# KiCad board BACKUP_PCB.kicad_pcb (continued)
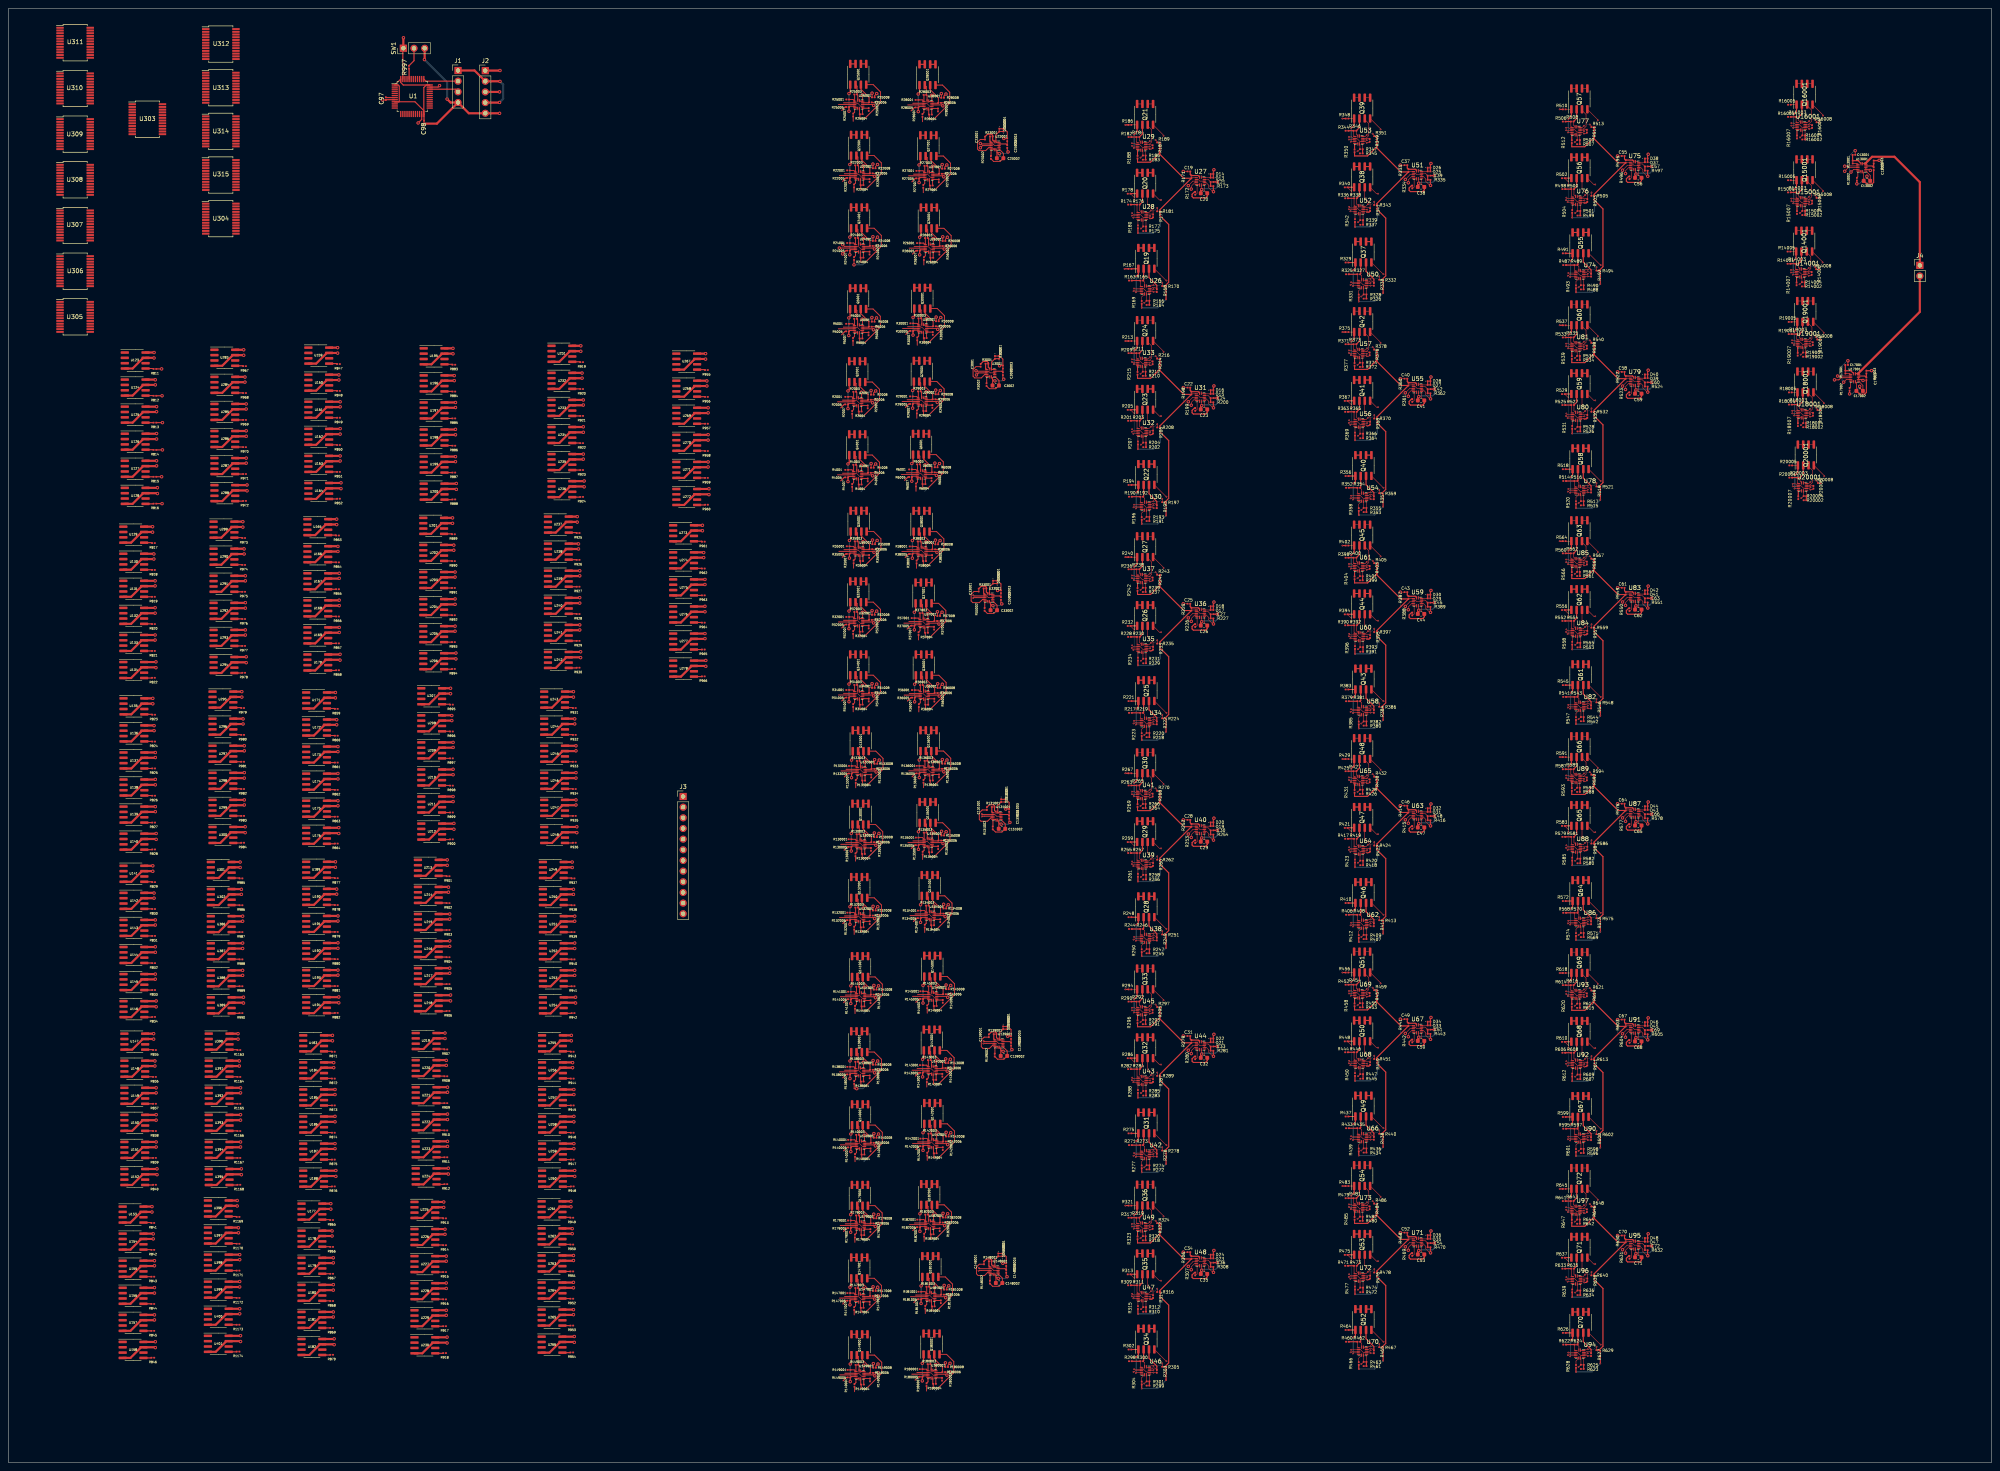
[diagram p0: board, top side]
## Nets (continued)
/W146: Q132001.5 Q132001.6 U146.6
/W147: Q136001.7 Q136001.8 U301.6
/W148: Q136001.5 Q136001.6 U302.6
/W149: Q135001.7 Q135001.8 U386.6
/W151: Q141001.7 Q141001.8 U147.6
/W152: Q141001.5 Q141001.6 U148.6
/W153: Q138001.7 Q138001.8 U149.6
/W154: Q138001.5 Q138001.6 U150.6
/W155: Q140001.7 Q140001.8 U151.6
/W156: Q140001.5 Q140001.6 U152.6
/W157: Q145001.7 Q145001.8 U390.6
/W158: Q145001.5 Q145001.6 U391.6
/W159: Q143001.7 Q143001.8 U392.6
/W161: Q179001.7 Q179001.8 U153.6
/W162: Q179001.5 Q179001.6 U154.6
/W163: Q147001.7 Q147001.8 U155.6
/W164: Q147001.5 Q147001.6 U156.6
/W165: Q149001.7 Q149001.8 U157.6
/W166: Q149001.5 Q149001.6 U158.6
/W167: Q182001.7 Q182001.8 U396.6
/W168: Q182001.5 Q182001.6 U397.6
/W169: Q181001.7 Q181001.8 U398.6
/W211: Q21.7 Q21.8 U159.6
/W212: Q21.5 Q21.6 U160.6
/W213: Q19.7 Q19.8 U161.6
/W214: Q19.5 Q19.6 U162.6
/W215: Q20.7 Q20.8 U163.6
/W216: Q20.5 Q20.6 U164.6
/W221: Q24.7 Q24.8 U165.6
/W222: Q24.5 Q24.6 U166.6
/W223: Q22.7 Q22.8 U167.6
/W224: Q22.5 Q22.6 U168.6
/W225: Q23.7 Q23.8 U169.6
/W226: Q23.5 Q23.6 U170.6
/W231: Q27.7 Q27.8 U171.6
/W232: Q27.5 Q27.6 U172.6
/W233: Q25.7 Q25.8 U173.6
/W234: Q25.5 Q25.6 U174.6
/W235: Q26.7 Q26.8 U175.6
/W236: Q26.5 Q26.6 U176.6
/W241: Q30.7 Q30.8 U189.6
/W242: Q30.5 Q30.6 U190.6
/W243: Q28.7 Q28.8 U191.6
/W244: Q28.5 Q28.6 U192.6
/W245: Q29.7 Q29.8 U193.6
/W246: Q29.5 Q29.6 U194.6
/W251: Q33.7 Q33.8 U183.6
/W252: Q33.5 Q33.6 U184.6
/W253: Q31.7 Q31.8 U185.6
/W254: Q31.5 Q31.6 U186.6
/W255: Q32.7 Q32.8 U187.6
/W256: Q32.5 Q32.6 U188.6
/W261: Q36.7 Q36.8 U177.6
/W262: Q36.5 Q36.6 U178.6
/W263: Q34.7 Q34.8 U179.6
/W264: Q34.5 Q34.6 U180.6
/W265: Q35.7 Q35.8 U181.6
/W266: Q35.5 Q35.6 U182.6
/W311: Q39.7 Q39.8 U195.6
/W312: Q39.5 Q39.6 U196.6
/W313: Q37.7 Q37.8 U197.6
/W314: Q37.5 Q37.6 U198.6
/W315: Q38.7 Q38.8 U199.6
/W316: Q38.5 Q38.6 U200.6
/W321: Q42.7 Q42.8 U201.6
/W322: Q42.5 Q42.6 U202.6
/W323: Q40.7 Q40.8 U203.6
/W324: Q40.5 Q40.6 U204.6
/W325: Q41.7 Q41.8 U205.6
/W326: Q41.5 Q41.6 U206.6
/W331: Q45.7 Q45.8 U207.6
/W332: Q45.5 Q45.6 U208.6
/W333: Q43.7 Q43.8 U209.6
/W334: Q43.5 Q43.6 U210.6
/W335: Q44.7 Q44.8 U211.6
/W336: Q44.5 Q44.6 U212.6
/W341: Q48.7 Q48.8 U213.6
/W342: Q48.5 Q48.6 U214.6
/W343: Q46.7 Q46.8 U215.6
/W344: Q46.5 Q46.6 U216.6
/W345: Q47.7 Q47.8 U217.6
/W346: Q47.5 Q47.6 U218.6
/W351: Q51.7 Q51.8 U219.6
/W352: Q51.5 Q51.6 U220.6
/W353: Q49.7 Q49.8 U221.6
/W354: Q49.5 Q49.6 U222.6
/W355: Q50.7 Q50.8 U223.6
/W356: Q50.5 Q50.6 U224.6
/W361: Q54.7 Q54.8 U225.6
/W362: Q54.5 Q54.6 U226.6
/W363: Q52.7 Q52.8 U227.6
/W364: Q52.5 Q52.6 U228.6
/W365: Q53.7 Q53.8 U229.6
/W366: Q53.5 Q53.6 U230.6
/W411: Q57.7 Q57.8 U231.6
/W412: Q57.5 Q57.6 U232.6
/W413: Q55.7 Q55.8 U233.6
/W414: Q55.5 Q55.6 U234.6
/W415: Q56.7 Q56.8 U235.6
/W416: Q56.5 Q56.6 U236.6
/W421: Q60.7 Q60.8 U237.6
/W422: Q60.5 Q60.6 U238.6
/W423: Q58.7 Q58.8 U239.6
/W424: Q58.5 Q58.6 U240.6
/W425: Q59.7 Q59.8 U241.6
/W426: Q59.5 Q59.6 U242.6
/W431: Q63.7 Q63.8 U243.6
/W432: Q63.5 Q63.6 U244.6
/W433: Q61.7 Q61.8 U245.6
/W434: Q61.5 Q61.6 U246.6
/W435: Q62.7 Q62.8 U247.6
/W436: Q62.5 Q62.6 U248.6
/W441: Q66.7 Q66.8 U249.6
/W442: Q66.5 Q66.6 U250.6
/W443: Q64.7 Q64.8 U251.6
/W444: Q64.5 Q64.6 U252.6
/W445: Q65.7 Q65.8 U253.6
/W446: Q65.5 Q65.6 U254.6
/W451: Q69.7 Q69.8 U255.6
/W452: Q69.5 Q69.6 U256.6
/W453: Q67.7 Q67.8 U257.6
/W454: Q67.5 Q67.6 U258.6
/W455: Q68.7 Q68.8 U259.6
/W456: Q68.5 Q68.6 U260.6
/W461: Q72.7 Q72.8 U261.6
/W462: Q72.5 Q72.6 U262.6
/W463: Q70.7 Q70.8 U263.6
/W464: Q70.5 Q70.6 U264.6
/W465: Q71.7 Q71.8 U265.6
/W466: Q71.5 Q71.6 U266.6
/W511: Q16001.7 Q16001.8 U267.6
/W512: Q16001.5 Q16001.6 U268.6
/W513: Q14001.7 Q14001.8 U269.6
/W514: Q14001.5 Q14001.6 U270.6
/W515: Q15001.7 Q15001.8 U271.6
/W516: Q15001.5 Q15001.6 U272.6
/W521: Q20001.7 Q20001.8 U273.6
/W522: Q20001.5 Q20001.6 U274.6
/W523: Q18001.7 Q18001.8 U275.6
/W524: Q18001.5 Q18001.6 U276.6
/W525: Q19001.7 Q19001.8 U277.6
/W526: Q19001.5 Q19001.6 U278.6
/W1110: Q27001.5 Q27001.6 U286.6
/W1111: Q26001.7 Q26001.8 U287.6
/W1112: Q26001.5 Q26001.6 U288.6
/W1210: Q29001.5 Q29001.6 U292.6
/W1211: Q6001.7 Q6001.8 U293.6
/W1212: Q6001.5 Q6001.6 U294.6
/W1310: Q37001.5 Q37001.6 U298.6
/W1311: Q36001.7 Q36001.8 U299.6
/W1312: Q36001.5 Q36001.6 U300.6
/W1410: Q135001.5 Q135001.6 U387.6
/W1411: Q134001.7 Q134001.8 U388.6
/W1412: Q134001.5 Q134001.6 U389.6
/W1510: Q143001.5 Q143001.6 U393.6
/W1511: Q142001.7 Q142001.8 U394.6
/W1512: Q142001.5 Q142001.6 U395.6
/W1610: Q181001.5 Q181001.6 U399.6
/W1611: Q180001.7 Q180001.8 U400.6
/W1612: Q180001.5 Q180001.6 U401.6
Net-(C19-Pad1): C19.1 R171.2 U27.14
Net-(C20-Pad2): C20.2 C21.1 U27.7
Net-(C22-Pad1): C22.1 R198.2 U31.14
Net-(C23-Pad2): C23.2 C24.1 U31.7
Net-(C25-Pad1): C25.1 R225.2 U36.14
Net-(C26-Pad2): C26.2 C27.1 U36.7
Net-(C28-Pad1): C28.1 R252.2 U40.14
Net-(C29-Pad2): C29.2 C30.1 U40.7
Net-(C31-Pad1): C31.1 R279.2 U44.14
Net-(C32-Pad2): C32.2 C33.1 U44.7
Net-(C34-Pad1): C34.1 R306.2 U48.14
Net-(C35-Pad2): C35.2 C36.1 U48.7
Net-(C37-Pad1): C37.1 R333.2 U51.14
Net-(C38-Pad2): C38.2 C39.1 U51.7
Net-(C40-Pad1): C40.1 R360.2 U55.14
Net-(C41-Pad2): C41.2 C42.1 U55.7
Net-(C43-Pad1): C43.1 R387.2 U59.14
Net-(C44-Pad2): C44.2 C45.1 U59.7
Net-(C46-Pad1): C46.1 R414.2 U63.14
Net-(C47-Pad2): C47.2 C48.1 U63.7
Net-(C49-Pad1): C49.1 R441.2 U67.14
Net-(C50-Pad2): C50.2 C51.1 U67.7
Net-(C52-Pad1): C52.1 R468.2 U71.14
Net-(C53-Pad2): C53.2 C54.1 U71.7
Net-(C55-Pad1): C55.1 R495.2 U75.14
Net-(C56-Pad2): C56.2 C57.1 U75.7
Net-(C58-Pad1): C58.1 R522.2 U79.14
Net-(C59-Pad2): C59.2 C60.1 U79.7
Net-(C61-Pad1): C61.1 R549.2 U83.14
Net-(C62-Pad2): C62.2 C63.1 U83.7
Net-(C64-Pad1): C64.1 R576.2 U87.14
Net-(C65-Pad2): C65.2 C66.1 U87.7
Net-(C67-Pad1): C67.1 R603.2 U91.14
Net-(C68-Pad2): C68.2 C69.1 U91.7
Net-(C70-Pad1): C70.1 R630.2 U95.14
Net-(C71-Pad2): C71.2 C72.1 U95.7
Net-(C3001-Pad1): C3001.1 R3001.2 U3001.14
Net-(C3002-Pad2): C3002.2 C3003.1 U3001.7
Net-(C13001-Pad1): C13001.1 R13001.2 U13001.14
Net-(C13002-Pad2): C13002.2 C13003.1 U13001.7
Net-(C17001-Pad1): C17001.1 R17001.2 U17001.14
Net-(C17002-Pad2): C17002.2 C17003.1 U17001.7
Net-(C23001-Pad1): C23001.1 R23001.2 U23001.14
Net-(C23002-Pad2): C23002.2 C23003.1 U23001.7
Net-(C33001-Pad1): C33001.1 R33001.2 U33001.14
Net-(C33002-Pad2): C33002.2 C33003.1 U33001.7
Net-(C131001-Pad1): C131001.1 R131001.2 U131001.14
Net-(C131002-Pad2): C131002.2 C131003.1 U131001.7
Net-(C139001-Pad1): C139001.1 R139001.2 U139001.14
Net-(C139002-Pad2): C139002.2 C139003.1 U139001.7
Net-(C148001-Pad1): C148001.1 R148001.2 U148001.14
Net-(C148002-Pad2): C148002.2 C148003.1 U148001.7
Net-(Q19A-G1): Q19.2 R165.2 U26.14
Net-(Q19A-S1): Q19.1 R167.2 U26.4
Net-(Q19B-G2): Q19.4 R166.2 U26.7
Net-(Q19B-S2): Q19.3 R168.2 U26.11
Net-(Q20A-G1): Q20.2 R176.2 U28.14
Net-(Q20A-S1): Q20.1 R178.2 U28.4
Net-(Q20B-G2): Q20.4 R177.2 U28.7
Net-(Q20B-S2): Q20.3 R179.2 U28.11
Net-(Q21A-G1): Q21.2 R184.2 U29.14
Net-(Q21A-S1): Q21.1 R186.2 U29.4
Net-(Q21B-G2): Q21.4 R185.2 U29.7
Net-(Q21B-S2): Q21.3 R187.2 U29.11
Net-(Q22A-G1): Q22.2 R192.2 U30.14
Net-(Q22A-S1): Q22.1 R194.2 U30.4
Net-(Q22B-G2): Q22.4 R193.2 U30.7
Net-(Q22B-S2): Q22.3 R195.2 U30.11
Net-(Q23A-G1): Q23.2 R203.2 U32.14
Net-(Q23A-S1): Q23.1 R205.2 U32.4
Net-(Q23B-G2): Q23.4 R204.2 U32.7
Net-(Q23B-S2): Q23.3 R206.2 U32.11
Net-(Q24A-G1): Q24.2 R211.2 U33.14
Net-(Q24A-S1): Q24.1 R213.2 U33.4
Net-(Q24B-G2): Q24.4 R212.2 U33.7
Net-(Q24B-S2): Q24.3 R214.2 U33.11
Net-(Q25A-G1): Q25.2 R219.2 U34.14
Net-(Q25A-S1): Q25.1 R221.2 U34.4
Net-(Q25B-G2): Q25.4 R220.2 U34.7
Net-(Q25B-S2): Q25.3 R222.2 U34.11
Net-(Q26A-G1): Q26.2 R230.2 U35.14
Net-(Q26A-S1): Q26.1 R232.2 U35.4
Net-(Q26B-G2): Q26.4 R231.2 U35.7
Net-(Q26B-S2): Q26.3 R233.2 U35.11
Net-(Q27A-G1): Q27.2 R238.2 U37.14
Net-(Q27A-S1): Q27.1 R240.2 U37.4
Net-(Q27B-G2): Q27.4 R239.2 U37.7
Net-(Q27B-S2): Q27.3 R241.2 U37.11
Net-(Q28A-G1): Q28.2 R246.2 U38.14
Net-(Q28A-S1): Q28.1 R248.2 U38.4
Net-(Q28B-G2): Q28.4 R247.2 U38.7
Net-(Q28B-S2): Q28.3 R249.2 U38.11
Net-(Q29A-G1): Q29.2 R257.2 U39.14
Net-(Q29A-S1): Q29.1 R259.2 U39.4
Net-(Q29B-G2): Q29.4 R258.2 U39.7
Net-(Q29B-S2): Q29.3 R260.2 U39.11
Net-(Q30A-G1): Q30.2 R265.2 U41.14
Net-(Q30A-S1): Q30.1 R267.2 U41.4
Net-(Q30B-G2): Q30.4 R266.2 U41.7
Net-(Q30B-S2): Q30.3 R268.2 U41.11
Net-(Q31A-G1): Q31.2 R273.2 U42.14
Net-(Q31A-S1): Q31.1 R275.2 U42.4
Net-(Q31B-G2): Q31.4 R274.2 U42.7
Net-(Q31B-S2): Q31.3 R276.2 U42.11
Net-(Q32A-G1): Q32.2 R284.2 U43.14
Net-(Q32A-S1): Q32.1 R286.2 U43.4
Net-(Q32B-G2): Q32.4 R285.2 U43.7
Net-(Q32B-S2): Q32.3 R287.2 U43.11
Net-(Q33A-G1): Q33.2 R292.2 U45.14
Net-(Q33A-S1): Q33.1 R294.2 U45.4
Net-(Q33B-G2): Q33.4 R293.2 U45.7
Net-(Q33B-S2): Q33.3 R295.2 U45.11
Net-(Q34A-G1): Q34.2 R300.2 U46.14
Net-(Q34A-S1): Q34.1 R302.2 U46.4
Net-(Q34B-G2): Q34.4 R301.2 U46.7
Net-(Q34B-S2): Q34.3 R303.2 U46.11
Net-(Q35A-G1): Q35.2 R311.2 U47.14
Net-(Q35A-S1): Q35.1 R313.2 U47.4
Net-(Q35B-G2): Q35.4 R312.2 U47.7
Net-(Q35B-S2): Q35.3 R314.2 U47.11
Net-(Q36A-G1): Q36.2 R319.2 U49.14
Net-(Q36A-S1): Q36.1 R321.2 U49.4
Net-(Q36B-G2): Q36.4 R320.2 U49.7
Net-(Q36B-S2): Q36.3 R322.2 U49.11
Net-(Q37A-G1): Q37.2 R327.2 U50.14
Net-(Q37A-S1): Q37.1 R329.2 U50.4
Net-(Q37B-G2): Q37.4 R328.2 U50.7
Net-(Q37B-S2): Q37.3 R330.2 U50.11
Net-(Q38A-G1): Q38.2 R338.2 U52.14
Net-(Q38A-S1): Q38.1 R340.2 U52.4
Net-(Q38B-G2): Q38.4 R339.2 U52.7
Net-(Q38B-S2): Q38.3 R341.2 U52.11
Net-(Q39A-G1): Q39.2 R346.2 U53.14
Net-(Q39A-S1): Q39.1 R348.2 U53.4
Net-(Q39B-G2): Q39.4 R347.2 U53.7
Net-(Q39B-S2): Q39.3 R349.2 U53.11
Net-(Q40A-G1): Q40.2 R354.2 U54.14
Net-(Q40A-S1): Q40.1 R356.2 U54.4
Net-(Q40B-G2): Q40.4 R355.2 U54.7
Net-(Q40B-S2): Q40.3 R357.2 U54.11
Net-(Q41A-G1): Q41.2 R365.2 U56.14
Net-(Q41A-S1): Q41.1 R367.2 U56.4
Net-(Q41B-G2): Q41.4 R366.2 U56.7
Net-(Q41B-S2): Q41.3 R368.2 U56.11
Net-(Q42A-G1): Q42.2 R373.2 U57.14
Net-(Q42A-S1): Q42.1 R375.2 U57.4
Net-(Q42B-G2): Q42.4 R374.2 U57.7
Net-(Q42B-S2): Q42.3 R376.2 U57.11
Net-(Q43A-G1): Q43.2 R381.2 U58.14
Net-(Q43A-S1): Q43.1 R383.2 U58.4
Net-(Q43B-G2): Q43.4 R382.2 U58.7
Net-(Q43B-S2): Q43.3 R384.2 U58.11
Net-(Q44A-G1): Q44.2 R392.2 U60.14
Net-(Q44A-S1): Q44.1 R394.2 U60.4
Net-(Q44B-G2): Q44.4 R393.2 U60.7
Net-(Q44B-S2): Q44.3 R395.2 U60.11
Net-(Q45A-G1): Q45.2 R400.2 U61.14
Net-(Q45A-S1): Q45.1 R402.2 U61.4
Net-(Q45B-G2): Q45.4 R401.2 U61.7
Net-(Q45B-S2): Q45.3 R403.2 U61.11
Net-(Q46A-G1): Q46.2 R408.2 U62.14
Net-(Q46A-S1): Q46.1 R410.2 U62.4
Net-(Q46B-G2): Q46.4 R409.2 U62.7
Net-(Q46B-S2): Q46.3 R411.2 U62.11
Net-(Q47A-G1): Q47.2 R419.2 U64.14
Net-(Q47A-S1): Q47.1 R421.2 U64.4
Net-(Q47B-G2): Q47.4 R420.2 U64.7
Net-(Q47B-S2): Q47.3 R422.2 U64.11
Net-(Q48A-G1): Q48.2 R427.2 U65.14
Net-(Q48A-S1): Q48.1 R429.2 U65.4
Net-(Q48B-G2): Q48.4 R428.2 U65.7
Net-(Q48B-S2): Q48.3 R430.2 U65.11
Net-(Q49A-G1): Q49.2 R435.2 U66.14
Net-(Q49A-S1): Q49.1 R437.2 U66.4
Net-(Q49B-G2): Q49.4 R436.2 U66.7
Net-(Q49B-S2): Q49.3 R438.2 U66.11
Net-(Q50A-G1): Q50.2 R446.2 U68.14
Net-(Q50A-S1): Q50.1 R448.2 U68.4
Net-(Q50B-G2): Q50.4 R447.2 U68.7
Net-(Q50B-S2): Q50.3 R449.2 U68.11
Net-(Q51A-G1): Q51.2 R454.2 U69.14
Net-(Q51A-S1): Q51.1 R456.2 U69.4
Net-(Q51B-G2): Q51.4 R455.2 U69.7
Net-(Q51B-S2): Q51.3 R457.2 U69.11
Net-(Q52A-G1): Q52.2 R462.2 U70.14
Net-(Q52A-S1): Q52.1 R464.2 U70.4
Net-(Q52B-G2): Q52.4 R463.2 U70.7
Net-(Q52B-S2): Q52.3 R465.2 U70.11
Net-(Q53A-G1): Q53.2 R473.2 U72.14
Net-(Q53A-S1): Q53.1 R475.2 U72.4
Net-(Q53B-G2): Q53.4 R474.2 U72.7
Net-(Q53B-S2): Q53.3 R476.2 U72.11
Net-(Q54A-G1): Q54.2 R481.2 U73.14
Net-(Q54A-S1): Q54.1 R483.2 U73.4
Net-(Q54B-G2): Q54.4 R482.2 U73.7
Net-(Q54B-S2): Q54.3 R484.2 U73.11
Net-(Q55A-G1): Q55.2 R489.2 U74.14
Net-(Q55A-S1): Q55.1 R491.2 U74.4
Net-(Q55B-G2): Q55.4 R490.2 U74.7
Net-(Q55B-S2): Q55.3 R492.2 U74.11
Net-(Q56A-G1): Q56.2 R500.2 U76.14
Net-(Q56A-S1): Q56.1 R502.2 U76.4
Net-(Q56B-G2): Q56.4 R501.2 U76.7
Net-(Q56B-S2): Q56.3 R503.2 U76.11
Net-(Q57A-G1): Q57.2 R508.2 U77.14
Net-(Q57A-S1): Q57.1 R510.2 U77.4
Net-(Q57B-G2): Q57.4 R509.2 U77.7
Net-(Q57B-S2): Q57.3 R511.2 U77.11
Net-(Q58A-G1): Q58.2 R516.2 U78.14
Net-(Q58A-S1): Q58.1 R518.2 U78.4
Net-(Q58B-G2): Q58.4 R517.2 U78.7
Net-(Q58B-S2): Q58.3 R519.2 U78.11
Net-(Q59A-G1): Q59.2 R527.2 U80.14
Net-(Q59A-S1): Q59.1 R529.2 U80.4
Net-(Q59B-G2): Q59.4 R528.2 U80.7
Net-(Q59B-S2): Q59.3 R530.2 U80.11
Net-(Q60A-G1): Q60.2 R535.2 U81.14
Net-(Q60A-S1): Q60.1 R537.2 U81.4
Net-(Q60B-G2): Q60.4 R536.2 U81.7
Net-(Q60B-S2): Q60.3 R538.2 U81.11
Net-(Q61A-G1): Q61.2 R543.2 U82.14
Net-(Q61A-S1): Q61.1 R545.2 U82.4
Net-(Q61B-G2): Q61.4 R544.2 U82.7
Net-(Q61B-S2): Q61.3 R546.2 U82.11
Net-(Q62A-G1): Q62.2 R554.2 U84.14
Net-(Q62A-S1): Q62.1 R556.2 U84.4
Net-(Q62B-G2): Q62.4 R555.2 U84.7
Net-(Q62B-S2): Q62.3 R557.2 U84.11
Net-(Q63A-G1): Q63.2 R562.2 U85.14
Net-(Q63A-S1): Q63.1 R564.2 U85.4
Net-(Q63B-G2): Q63.4 R563.2 U85.7
Net-(Q63B-S2): Q63.3 R565.2 U85.11
Net-(Q64A-G1): Q64.2 R570.2 U86.14
Net-(Q64A-S1): Q64.1 R572.2 U86.4
Net-(Q64B-G2): Q64.4 R571.2 U86.7
Net-(Q64B-S2): Q64.3 R573.2 U86.11
Net-(Q65A-G1): Q65.2 R581.2 U88.14
Net-(Q65A-S1): Q65.1 R583.2 U88.4
Net-(Q65B-G2): Q65.4 R582.2 U88.7
Net-(Q65B-S2): Q65.3 R584.2 U88.11
Net-(Q66A-G1): Q66.2 R589.2 U89.14
Net-(Q66A-S1): Q66.1 R591.2 U89.4
Net-(Q66B-G2): Q66.4 R590.2 U89.7
Net-(Q66B-S2): Q66.3 R592.2 U89.11
Net-(Q67A-G1): Q67.2 R597.2 U90.14
Net-(Q67A-S1): Q67.1 R599.2 U90.4
Net-(Q67B-G2): Q67.4 R598.2 U90.7
Net-(Q67B-S2): Q67.3 R600.2 U90.11
Net-(Q68A-G1): Q68.2 R608.2 U92.14
Net-(Q68A-S1): Q68.1 R610.2 U92.4
Net-(Q68B-G2): Q68.4 R609.2 U92.7
Net-(Q68B-S2): Q68.3 R611.2 U92.11
Net-(Q69A-G1): Q69.2 R616.2 U93.14
Net-(Q69A-S1): Q69.1 R618.2 U93.4
Net-(Q69B-G2): Q69.4 R617.2 U93.7
Net-(Q69B-S2): Q69.3 R619.2 U93.11
Net-(Q70A-G1): Q70.2 R624.2 U94.14
Net-(Q70A-S1): Q70.1 R626.2 U94.4
Net-(Q70B-G2): Q70.4 R625.2 U94.7
Net-(Q70B-S2): Q70.3 R627.2 U94.11
Net-(Q71A-G1): Q71.2 R635.2 U96.14
Net-(Q71A-S1): Q71.1 R637.2 U96.4
Net-(Q71B-G2): Q71.4 R636.2 U96.7
Net-(Q71B-S2): Q71.3 R638.2 U96.11
Net-(Q72A-G1): Q72.2 R643.2 U97.14
Net-(Q72A-S1): Q72.1 R645.2 U97.4
Net-(Q72B-G2): Q72.4 R644.2 U97.7
Net-(Q72B-S2): Q72.3 R646.2 U97.11
Net-(Q2001A-G1): Q2001.2 R2003.2 U2001.14
Net-(Q2001A-S1): Q2001.1 R2005.2 U2001.4
Net-(Q2001B-G2): Q2001.4 R2004.2 U2001.7
Net-(Q2001B-S2): Q2001.3 R2006.2 U2001.11
Net-(Q4001A-G1): Q4001.2 R4003.2 U4001.14
Net-(Q4001A-S1): Q4001.1 R4005.2 U4001.4
Net-(Q4001B-G2): Q4001.4 R4004.2 U4001.7
Net-(Q4001B-S2): Q4001.3 R4006.2 U4001.11
Net-(Q5001A-G1): Q5001.2 R5003.2 U5001.14
Net-(Q5001A-S1): Q5001.1 R5005.2 U5001.4
Net-(Q5001B-G2): Q5001.4 R5004.2 U5001.7
Net-(Q5001B-S2): Q5001.3 R5006.2 U5001.11
Net-(Q6001A-G1): Q6001.2 R6003.2 U6001.14
Net-(Q6001A-S1): Q6001.1 R6005.2 U6001.4
Net-(Q6001B-G2): Q6001.4 R6004.2 U6001.7
Net-(Q6001B-S2): Q6001.3 R6006.2 U6001.11
Net-(Q14001A-G1): Q14001.2 R14003.2 U14001.14
Net-(Q14001A-S1): Q14001.1 R14005.2 U14001.4
Net-(Q14001B-G2): Q14001.4 R14004.2 U14001.7
Net-(Q14001B-S2): Q14001.3 R14006.2 U14001.11
Net-(Q15001A-G1): Q15001.2 R15003.2 U15001.14
Net-(Q15001A-S1): Q15001.1 R15005.2 U15001.4
Net-(Q15001B-G2): Q15001.4 R15004.2 U15001.7
Net-(Q15001B-S2): Q15001.3 R15006.2 U15001.11
Net-(Q16001A-G1): Q16001.2 R16003.2 U16001.14
Net-(Q16001A-S1): Q16001.1 R16005.2 U16001.4
Net-(Q16001B-G2): Q16001.4 R16004.2 U16001.7
Net-(Q16001B-S2): Q16001.3 R16006.2 U16001.11
Net-(Q18001A-G1): Q18001.2 R18003.2 U18001.14
Net-(Q18001A-S1): Q18001.1 R18005.2 U18001.4
Net-(Q18001B-G2): Q18001.4 R18004.2 U18001.7
Net-(Q18001B-S2): Q18001.3 R18006.2 U18001.11
Net-(Q19001A-G1): Q19001.2 R19003.2 U19001.14
Net-(Q19001A-S1): Q19001.1 R19005.2 U19001.4
Net-(Q19001B-G2): Q19001.4 R19004.2 U19001.7
Net-(Q19001B-S2): Q19001.3 R19006.2 U19001.11
Net-(Q20001A-G1): Q20001.2 R20003.2 U20001.14
Net-(Q20001A-S1): Q20001.1 R20005.2 U20001.4
Net-(Q20001B-G2): Q20001.4 R20004.2 U20001.7
Net-(Q20001B-S2): Q20001.3 R20006.2 U20001.11
Net-(Q22001A-G1): Q22001.2 R22003.2 U22001.14
Net-(Q22001A-S1): Q22001.1 R22005.2 U22001.4
Net-(Q22001B-G2): Q22001.4 R22004.2 U22001.7
Net-(Q22001B-S2): Q22001.3 R22006.2 U22001.11
Net-(Q24001A-G1): Q24001.2 R24003.2 U24001.14
Net-(Q24001A-S1): Q24001.1 R24005.2 U24001.4
Net-(Q24001B-G2): Q24001.4 R24004.2 U24001.7
Net-(Q24001B-S2): Q24001.3 R24006.2 U24001.11
Net-(Q25001A-G1): Q25001.2 R25003.2 U25001.14
Net-(Q25001A-S1): Q25001.1 R25005.2 U25001.4
Net-(Q25001B-G2): Q25001.4 R25004.2 U25001.7
Net-(Q25001B-S2): Q25001.3 R25006.2 U25001.11
Net-(Q26001A-G1): Q26001.2 R26003.2 U26001.14
Net-(Q26001A-S1): Q26001.1 R26005.2 U26001.4
Net-(Q26001B-G2): Q26001.4 R26004.2 U26001.7
Net-(Q26001B-S2): Q26001.3 R26006.2 U26001.11
Net-(Q27001A-G1): Q27001.2 R27003.2 U27001.14
Net-(Q27001A-S1): Q27001.1 R27005.2 U27001.4
Net-(Q27001B-G2): Q27001.4 R27004.2 U27001.7
Net-(Q27001B-S2): Q27001.3 R27006.2 U27001.11
Net-(Q28001A-G1): Q28001.2 R28003.2 U28001.14
Net-(Q28001A-S1): Q28001.1 R28005.2 U28001.4
Net-(Q28001B-G2): Q28001.4 R28004.2 U28001.7
Net-(Q28001B-S2): Q28001.3 R28006.2 U28001.11
Net-(Q29001A-G1): Q29001.2 R29003.2 U29001.14
Net-(Q29001A-S1): Q29001.1 R29005.2 U29001.4
Net-(Q29001B-G2): Q29001.4 R29004.2 U29001.7
Net-(Q29001B-S2): Q29001.3 R29006.2 U29001.11
Net-(Q30001A-G1): Q30001.2 R30003.2 U30001.14
Net-(Q30001A-S1): Q30001.1 R30005.2 U30001.4
Net-(Q30001B-G2): Q30001.4 R30004.2 U30001.7
Net-(Q30001B-S2): Q30001.3 R30006.2 U30001.11
Net-(Q32001A-G1): Q32001.2 R32003.2 U32001.14
Net-(Q32001A-S1): Q32001.1 R32005.2 U32001.4
Net-(Q32001B-G2): Q32001.4 R32004.2 U32001.7
Net-(Q32001B-S2): Q32001.3 R32006.2 U32001.11
Net-(Q34001A-G1): Q34001.2 R34003.2 U34001.14
Net-(Q34001A-S1): Q34001.1 R34005.2 U34001.4
Net-(Q34001B-G2): Q34001.4 R34004.2 U34001.7
Net-(Q34001B-S2): Q34001.3 R34006.2 U34001.11
Net-(Q35001A-G1): Q35001.2 R35003.2 U35001.14
Net-(Q35001A-S1): Q35001.1 R35005.2 U35001.4
Net-(Q35001B-G2): Q35001.4 R35004.2 U35001.7
Net-(Q35001B-S2): Q35001.3 R35006.2 U35001.11
Net-(Q36001A-G1): Q36001.2 R36003.2 U36001.14
Net-(Q36001A-S1): Q36001.1 R36005.2 U36001.4
Net-(Q36001B-G2): Q36001.4 R36004.2 U36001.7
Net-(Q36001B-S2): Q36001.3 R36006.2 U36001.11
Net-(Q37001A-G1): Q37001.2 R37003.2 U37001.14
Net-(Q37001A-S1): Q37001.1 R37005.2 U37001.4
Net-(Q37001B-G2): Q37001.4 R37004.2 U37001.7
Net-(Q37001B-S2): Q37001.3 R37006.2 U37001.11
Net-(Q38001A-G1): Q38001.2 R38003.2 U38001.14
Net-(Q38001A-S1): Q38001.1 R38005.2 U38001.4
Net-(Q38001B-G2): Q38001.4 R38004.2 U38001.7
Net-(Q38001B-S2): Q38001.3 R38006.2 U38001.11
Net-(Q130001A-G1): Q130001.2 R130003.2 U130001.14
Net-(Q130001A-S1): Q130001.1 R130005.2 U130001.4
Net-(Q130001B-G2): Q130001.4 R130004.2 U130001.7
Net-(Q130001B-S2): Q130001.3 R130006.2 U130001.11
Net-(Q132001A-G1): Q132001.2 R132003.2 U132001.14
Net-(Q132001A-S1): Q132001.1 R132005.2 U132001.4
Net-(Q132001B-G2): Q132001.4 R132004.2 U132001.7
Net-(Q132001B-S2): Q132001.3 R132006.2 U132001.11
Net-(Q133001A-G1): Q133001.2 R133003.2 U133001.14
Net-(Q133001A-S1): Q133001.1 R133005.2 U133001.4
Net-(Q133001B-G2): Q133001.4 R133004.2 U133001.7
Net-(Q133001B-S2): Q133001.3 R133006.2 U133001.11
Net-(Q134001A-G1): Q134001.2 R134003.2 U134001.14
Net-(Q134001A-S1): Q134001.1 R134005.2 U134001.4
Net-(Q134001B-G2): Q134001.4 R134004.2 U134001.7
Net-(Q134001B-S2): Q134001.3 R134006.2 U134001.11
Net-(Q135001A-G1): Q135001.2 R135003.2 U135001.14
Net-(Q135001A-S1): Q135001.1 R135005.2 U135001.4
Net-(Q135001B-G2): Q135001.4 R135004.2 U135001.7
Net-(Q135001B-S2): Q135001.3 R135006.2 U135001.11
Net-(Q136001A-G1): Q136001.2 R136003.2 U136001.14
Net-(Q136001A-S1): Q136001.1 R136005.2 U136001.4
Net-(Q136001B-G2): Q136001.4 R136004.2 U136001.7
Net-(Q136001B-S2): Q136001.3 R136006.2 U136001.11
Net-(Q138001A-G1): Q138001.2 R138003.2 U138001.14
Net-(Q138001A-S1): Q138001.1 R138005.2 U138001.4
Net-(Q138001B-G2): Q138001.4 R138004.2 U138001.7
Net-(Q138001B-S2): Q138001.3 R138006.2 U138001.11
Net-(Q140001A-G1): Q140001.2 R140003.2 U140001.14
Net-(Q140001A-S1): Q140001.1 R140005.2 U140001.4
Net-(Q140001B-G2): Q140001.4 R140004.2 U140001.7
Net-(Q140001B-S2): Q140001.3 R140006.2 U140001.11
Net-(Q141001A-G1): Q141001.2 R141003.2 U141001.14
Net-(Q141001A-S1): Q141001.1 R141005.2 U141001.4
Net-(Q141001B-G2): Q141001.4 R141004.2 U141001.7
Net-(Q141001B-S2): Q141001.3 R141006.2 U141001.11
Net-(Q142001A-G1): Q142001.2 R142003.2 U142001.14
Net-(Q142001A-S1): Q142001.1 R142005.2 U142001.4
Net-(Q142001B-G2): Q142001.4 R142004.2 U142001.7
Net-(Q142001B-S2): Q142001.3 R142006.2 U142001.11
Net-(Q143001A-G1): Q143001.2 R143003.2 U143001.14
Net-(Q143001A-S1): Q143001.1 R143005.2 U143001.4
Net-(Q143001B-G2): Q143001.4 R143004.2 U143001.7
Net-(Q143001B-S2): Q143001.3 R143006.2 U143001.11
Net-(Q145001A-G1): Q145001.2 R145003.2 U145001.14
Net-(Q145001A-S1): Q145001.1 R145005.2 U145001.4
Net-(Q145001B-G2): Q145001.4 R145004.2 U145001.7
Net-(Q145001B-S2): Q145001.3 R145006.2 U145001.11
Net-(Q147001A-G1): Q147001.2 R147003.2 U147001.14
Net-(Q147001A-S1): Q147001.1 R147005.2 U147001.4
Net-(Q147001B-G2): Q147001.4 R147004.2 U147001.7
Net-(Q147001B-S2): Q147001.3 R147006.2 U147001.11
Net-(Q149001A-G1): Q149001.2 R149003.2 U149001.14
Net-(Q149001A-S1): Q149001.1 R149005.2 U149001.4
Net-(Q149001B-G2): Q149001.4 R149004.2 U149001.7
Net-(Q149001B-S2): Q149001.3 R149006.2 U149001.11
Net-(Q179001A-G1): Q179001.2 R179003.2 U179001.14
Net-(Q179001A-S1): Q179001.1 R179005.2 U179001.4
Net-(Q179001B-G2): Q179001.4 R179004.2 U179001.7
Net-(Q179001B-S2): Q179001.3 R179006.2 U179001.11
Net-(Q180001A-G1): Q180001.2 R180003.2 U180001.14
Net-(Q180001A-S1): Q180001.1 R180005.2 U180001.4
Net-(Q180001B-G2): Q180001.4 R180004.2 U180001.7
Net-(Q180001B-S2): Q180001.3 R180006.2 U180001.11
Net-(Q181001A-G1): Q181001.2 R181003.2 U181001.14
Net-(Q181001A-S1): Q181001.1 R181005.2 U181001.4
Net-(Q181001B-G2): Q181001.4 R181004.2 U181001.7
Net-(Q181001B-S2): Q181001.3 R181006.2 U181001.11
Net-(Q182001A-G1): Q182001.2 R182003.2 U182001.14
Net-(Q182001A-S1): Q182001.1 R182005.2 U182001.4
Net-(Q182001B-G2): Q182001.4 R182004.2 U182001.7
Net-(Q182001B-S2): Q182001.3 R182006.2 U182001.11
Net-(SW1-B): R997.2 SW1.2
Net-(U1-BOOT0): R997.1 U1.44
Net-(U1-VDD): C98.1 U1.1 U1.9 U1.24 U1.36 U1.48
Net-(U26A--): R163.2 R165.1 U26.1
Net-(U26B--): R169.1 U26.5 U26.6
Net-(U26C--): R164.2 R166.1 U26.8
Net-(U26D--): R170.1 U26.12 U26.13
Net-(U27B-+): C19.2 U27.4
Net-(U27B--): R172.1 U27.5 U27.6
Net-(U27C--): C20.1 R172.2 U27.8
Net-(U27D-+): C21.2 R173.1 U27.11
Net-(U28A--): R174.2 R176.1 U28.1
Net-(U28B--): R180.1 U28.5 U28.6
Net-(U28C--): R175.2 R177.1 U28.8
Net-(U28D--): R181.1 U28.12 U28.13
Net-(U29A--): R182.2 R184.1 U29.1
Net-(U29B--): R188.1 U29.5 U29.6
Net-(U29C--): R183.2 R185.1 U29.8
Net-(U29D--): R189.1 U29.12 U29.13
Net-(U30A--): R190.2 R192.1 U30.1
Net-(U30B--): R196.1 U30.5 U30.6
Net-(U30C--): R191.2 R193.1 U30.8
Net-(U30D--): R197.1 U30.12 U30.13
Net-(U31B-+): C22.2 U31.4
Net-(U31B--): R199.1 U31.5 U31.6
Net-(U31C--): C23.1 R199.2 U31.8
Net-(U31D-+): C24.2 R200.1 U31.11
Net-(U32A--): R201.2 R203.1 U32.1
Net-(U32B--): R207.1 U32.5 U32.6
Net-(U32C--): R202.2 R204.1 U32.8
Net-(U32D--): R208.1 U32.12 U32.13
Net-(U33A--): R209.2 R211.1 U33.1
Net-(U33B--): R215.1 U33.5 U33.6
Net-(U33C--): R210.2 R212.1 U33.8
Net-(U33D--): R216.1 U33.12 U33.13
Net-(U34A--): R217.2 R219.1 U34.1
Net-(U34B--): R223.1 U34.5 U34.6
Net-(U34C--): R218.2 R220.1 U34.8
Net-(U34D--): R224.1 U34.12 U34.13
Net-(U35A--): R228.2 R230.1 U35.1
Net-(U35B--): R234.1 U35.5 U35.6
Net-(U35C--): R229.2 R231.1 U35.8
Net-(U35D--): R235.1 U35.12 U35.13
Net-(U36B-+): C25.2 U36.4
Net-(U36B--): R226.1 U36.5 U36.6
Net-(U36C--): C26.1 R226.2 U36.8
Net-(U36D-+): C27.2 R227.1 U36.11
Net-(U37A--): R236.2 R238.1 U37.1
Net-(U37B--): R242.1 U37.5 U37.6
Net-(U37C--): R237.2 R239.1 U37.8
Net-(U37D--): R243.1 U37.12 U37.13
Net-(U38A--): R244.2 R246.1 U38.1
Net-(U38B--): R250.1 U38.5 U38.6
Net-(U38C--): R245.2 R247.1 U38.8
Net-(U38D--): R251.1 U38.12 U38.13
Net-(U39A--): R255.2 R257.1 U39.1
Net-(U39B--): R261.1 U39.5 U39.6
Net-(U39C--): R256.2 R258.1 U39.8
Net-(U39D--): R262.1 U39.12 U39.13
Net-(U40B-+): C28.2 U40.4
Net-(U40B--): R253.1 U40.5 U40.6
Net-(U40C--): C29.1 R253.2 U40.8
Net-(U40D-+): C30.2 R254.1 U40.11
Net-(U41A--): R263.2 R265.1 U41.1
Net-(U41B--): R269.1 U41.5 U41.6
Net-(U41C--): R264.2 R266.1 U41.8
Net-(U41D--): R270.1 U41.12 U41.13
Net-(U42A--): R271.2 R273.1 U42.1
Net-(U42B--): R277.1 U42.5 U42.6
Net-(U42C--): R272.2 R274.1 U42.8
Net-(U42D--): R278.1 U42.12 U42.13
Net-(U43A--): R282.2 R284.1 U43.1
Net-(U43B--): R288.1 U43.5 U43.6
Net-(U43C--): R283.2 R285.1 U43.8
Net-(U43D--): R289.1 U43.12 U43.13
Net-(U44B-+): C31.2 U44.4
Net-(U44B--): R280.1 U44.5 U44.6
Net-(U44C--): C32.1 R280.2 U44.8
Net-(U44D-+): C33.2 R281.1 U44.11
Net-(U45A--): R290.2 R292.1 U45.1
Net-(U45B--): R296.1 U45.5 U45.6
Net-(U45C--): R291.2 R293.1 U45.8
Net-(U45D--): R297.1 U45.12 U45.13
Net-(U46A--): R298.2 R300.1 U46.1
Net-(U46B--): R304.1 U46.5 U46.6
Net-(U46C--): R299.2 R301.1 U46.8
Net-(U46D--): R305.1 U46.12 U46.13
Net-(U47A--): R309.2 R311.1 U47.1
Net-(U47B--): R315.1 U47.5 U47.6
Net-(U47C--): R310.2 R312.1 U47.8
Net-(U47D--): R316.1 U47.12 U47.13
Net-(U48B-+): C34.2 U48.4
